# Altium PCB RevA2.PcbDoc (part 1 of 6) (continued)
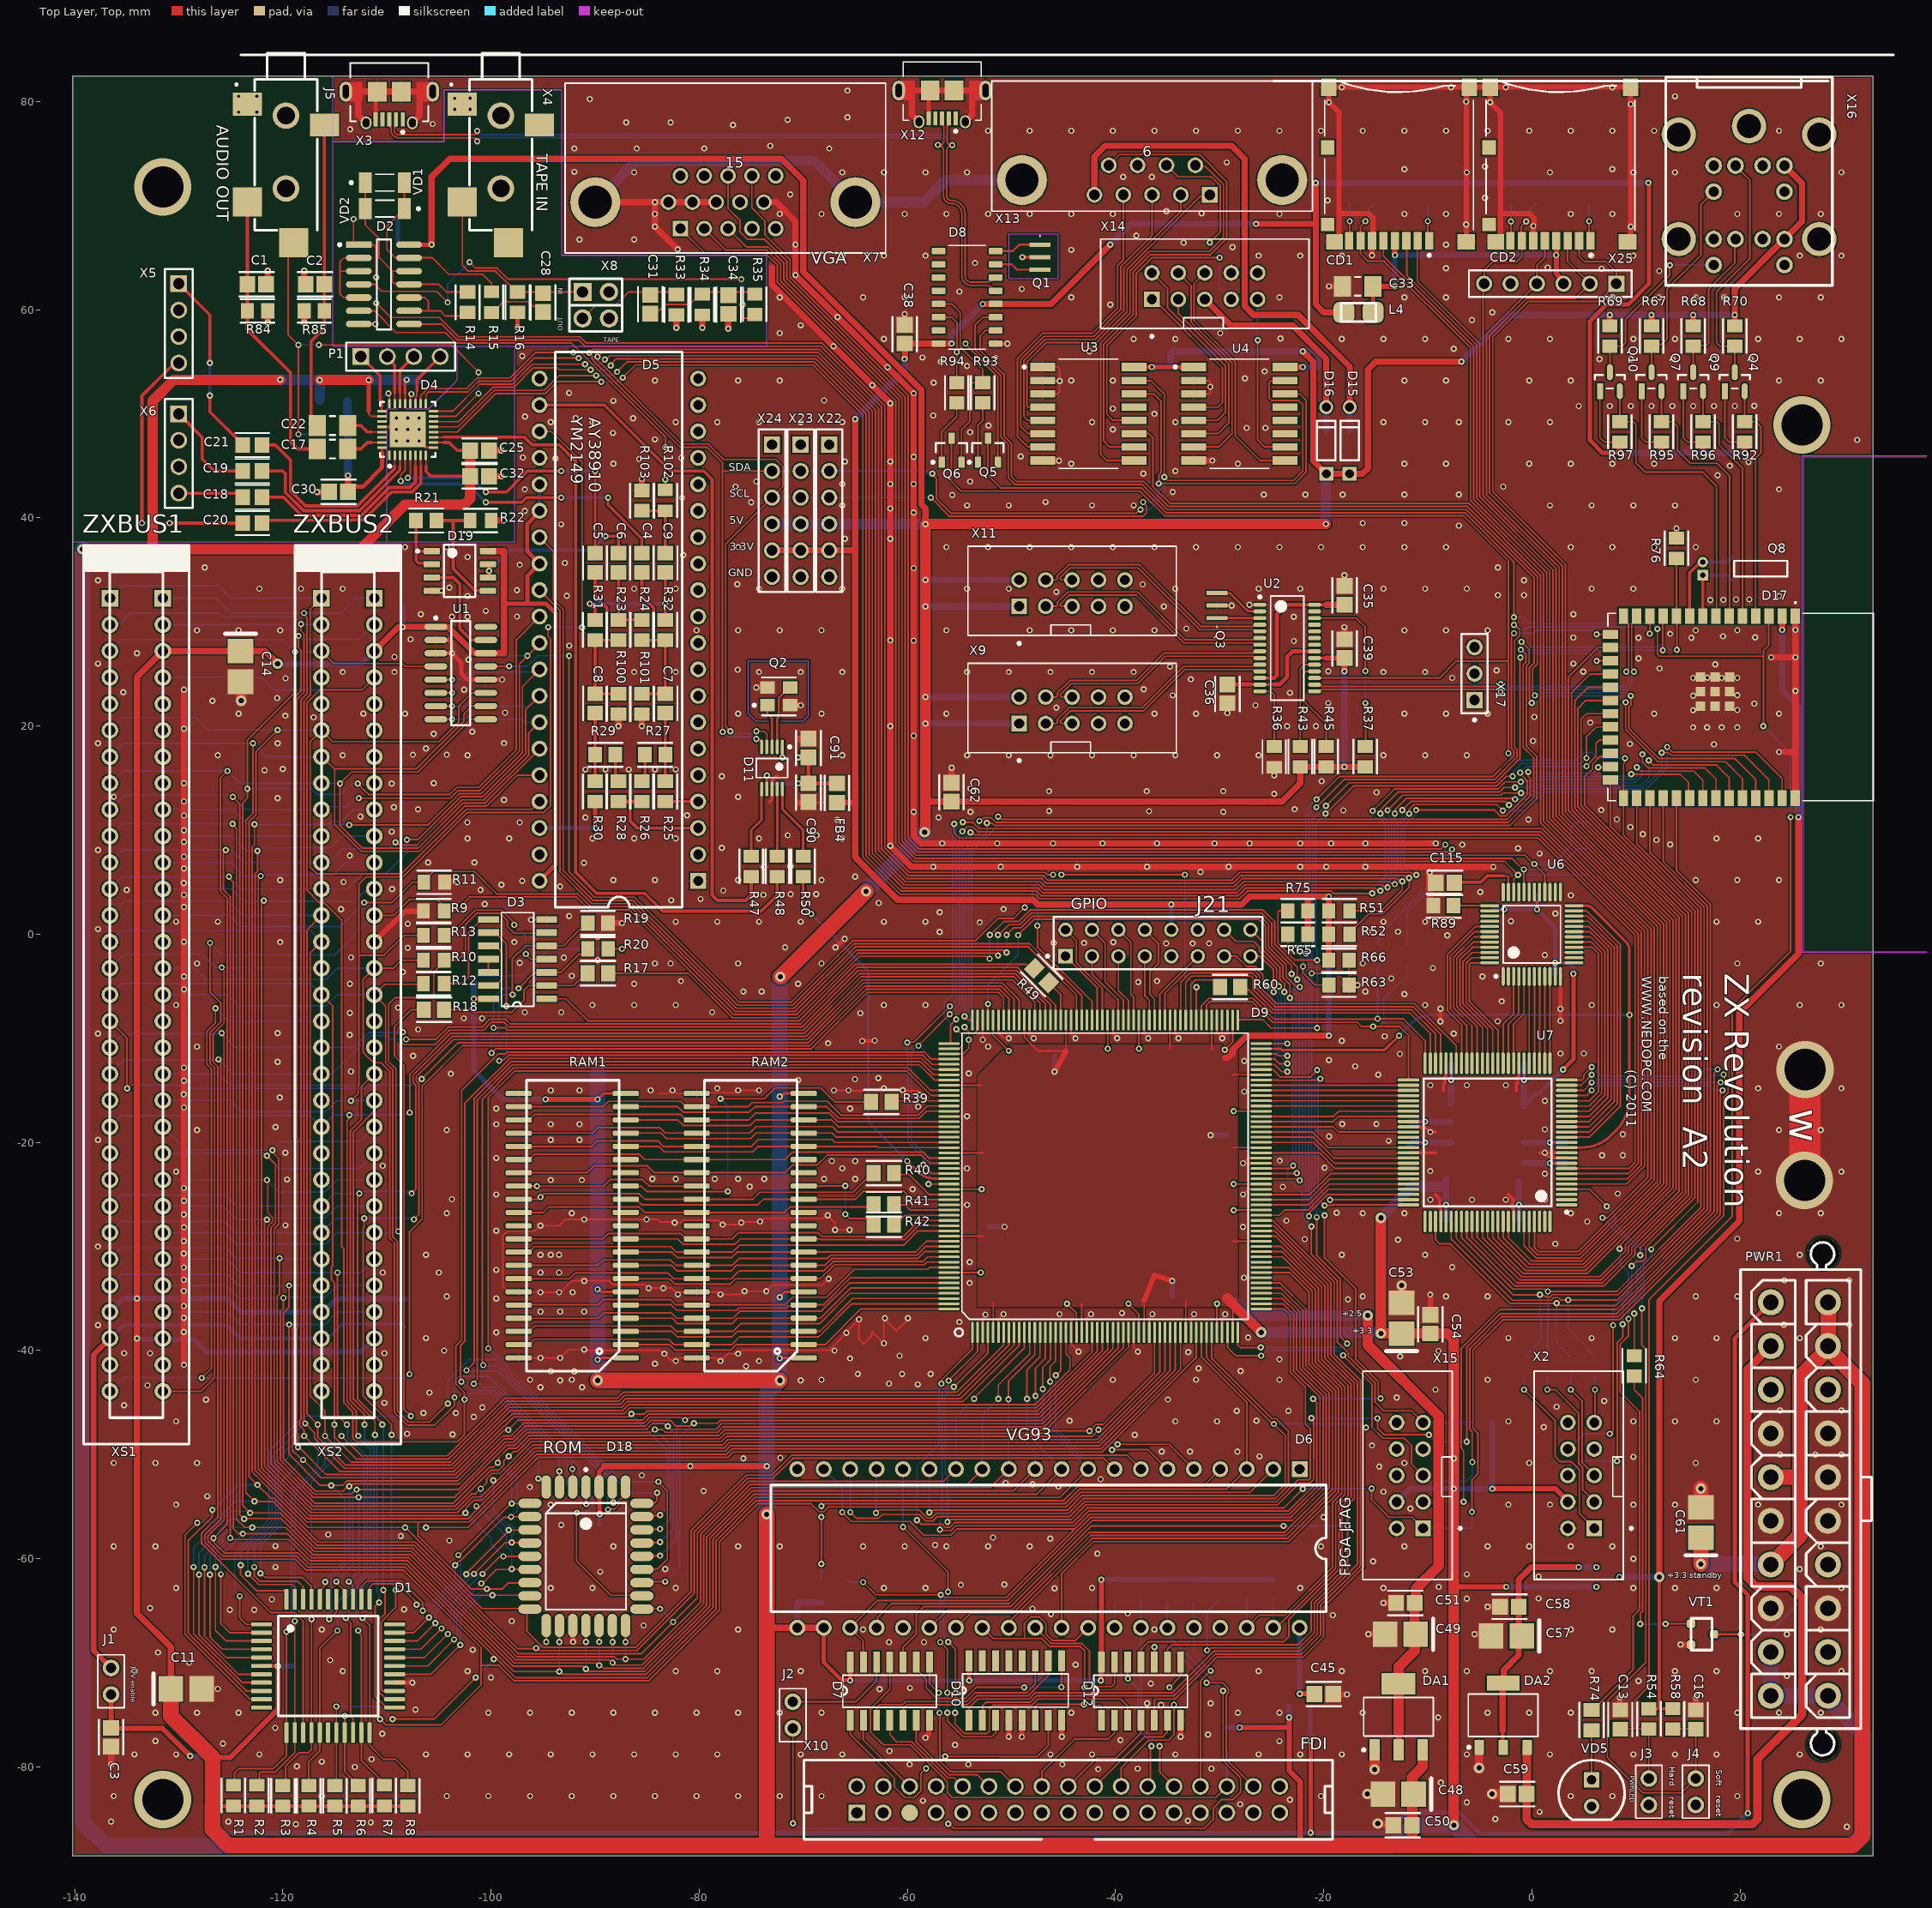
[diagram p0: Top Layer, Top view]
## Components (designator, comment, footprint, x,y, rotation, side; value= is the part's Value field where it differs from the comment) (continued)
C100 "CC0805KRX7R9BB104" FP-CC0805-0_85-IPC_A -78.649,-51.1 r0 bottom value="100 nF"
C101 "CC0805KRX7R9BB104" FP-CC0805-0_85-IPC_A -90.655,-13.363 r180 bottom value="100 nF"
C102 "CC0805KRX7R9BB104" FP-CC0805-0_85-IPC_A -90.651,-21.25 r180 bottom value="100 nF"
C103 "CC0805KRX7R9BB104" FP-CC0805-0_85-IPC_A -90.655,-30.8 r180 bottom value="100 nF"
C104 "CC0805KRX7R9BB104" FP-CC0805-0_85-IPC_A -90.651,-37.75 r180 bottom value="100 nF"
C105 "CC0805KRX7R9BB104" FP-CC0805-0_85-IPC_A -89.557,-57.66 r270 bottom value="100 nF"
C106 "CC0805KRX7R9BB104" FP-CC0805-0_85-IPC_A -101.829,-3.244 r90 bottom value="100 nF"
C107 "CC0805KRX7R9BB104" FP-CC0805-0_85-IPC_A -109.851,66.216 r180 bottom value="100 nF"
C108 "CC0805KRX7R9BB104" FP-CC0805-0_85-IPC_A -118.149,-70.3 r0 bottom value="100 nF"
C113 "C0805C106K8PACTU" FP-C0805C-DG-IPC_A 23.099,25.25 r180 bottom value=10uF
C114 "CC0805KRX7R9BB104" FP-CC0805-0_85-IPC_A 23.099,28 r180 bottom value="100 nF"
C115 "CC0805KRX7R9BB104" FP-CC0805-0_85-IPC_A -8.339,4.937 r180 top value="100 nF"
CD1 "502774-0891" MOLX-502774-0891_V -12.754,74.012 r180 top locked value=5027740891
CD2 "502774-0891" MOLX-502774-0891_V 2.746,74.012 r180 top locked value=5027740891
D1 "Z84C0020FEC" QFP44X8 -122.05,-66.3 r0 top
D2 "CD4069UBM" FP-D0014A-IPC_A -110.284,62.44 r0 top locked
D3 "04" SO14 -94.65,-6.2 r180 top value=74ACT04
D4 "WM8960CGEFL/RV" QFN50P500X500X90_HS-33M -108,48.5 r90 top
D5 "YM2149" DIP40 -80.095,5.125 r180 top locked
D6 "KR1818VG93" DIP40 -22.31,-51.39 r270 top locked
D7 "07" SO14 -65.49,-75.52 r90 top value=74HCT07
D8 "CH340G" SOIC127P600X180-16N -54.254,61.192 r180 top
D9 "EP1K50Q208" PQFP208X5 -53.75,-38.25 r90 top locked
D10 "138" SO16 -54.06,-75.52 r90 top locked value=74HCT138
D11 "Si5351A-B-GT" SLAB-MSOP-10_L -73,15.975 r270 top value=SI5351A-B-GT
D12 "06" SO14 -41.36,-75.52 r90 top value=74HCT06
D15 "BAT46" STM-DO-35-2 -17.5,47.44 r90 top
D16 "BAT46" STM-DO-35-2 -19.75,47.44 r90 top
D17 "ESP32-S3-WROOM-1" ESP32S3WROOM1 20.062,21.825 r270 top locked
D18 "SST39SF040-70-4C-NHE" MCHP-PLCC-NH32_L -90.88,-59.76 r0 top locked
D19 "LM358DR" FP-D0008A-MFG -103,34.905 r0 top
DA1 "LM1117MP-2.5/NOPB" DCY0004A_M -12.804,-75.188 r90 top
DA2 "LM1117MP-3.3/NOPB" DCY0004A_L -2.754,-75.038 r90 top
FB4 "BLM21AG601SN1J" FP-BLM21-0_2-t0_85-e0_5-IPC_A -66.75,13.574 r90 top
J1 "JUMPER" JUMPER_JUMPER(Primary) -136.5,-73.04 r90 top value=PLS-2
J2 "JUMPER" JUMPER_JUMPER(Primary) -71,-73.75 r270 top value=PLS-2
J3 "JUMPER" JUMPER_JUMPER(Primary) 11.246,-81.113 r270 top value=PLS-2
J4 "JUMPER" JUMPER_JUMPER(Primary) 15.746,-81.113 r270 top value=PLS-2
J5 "SJ-3524-SMT-TR" SJ-3524-SMT-TR -116.7,82.15 r270 top
J21 "87227-8" FP-87227-8-MFG -35.907,-0.844 r0 top value="HEADER 16POS 2.54MM 2ROW"
L1 "L-CHIP" L-CHIP -113.787,51.25 r180 bottom value=1uH
L4 "L-CHIP" L-CHIP -15.25,59.75 r180 top value=1uH
P1 "61300411121" 61300411121 -108.69,55.5 r0 top value="header 4 pin 2.54mm"
PWR1 "ATXPOWER" ATXPOWER 22.956,-73.163 r90 top locked
Q1 "CSTCE12M0G55Z-R0" MURA-CSTCE_G_V -47.25,65.05 r270 top
Q2 "ABM8G-25.000MHz-B4Y-T" FP-ABM8G-MFG -72.35,22.85 r0 top value=ABM8G-25.000MHZ-B4Y-T
Q3 "CSTCE12M0G55Z-R0" MURA-CSTCE_G_V -30.25,31.58 r90 top
Q4 "BSS138" FP-318-08-IPC_B 19.5,53.09 r90 top
Q5 "BC817K-25" INF-SOT23_N -52.25,46.5 r90 top
Q6 "BC817K-25" INF-SOT23_N -55.75,46.5 r90 top
Q7 "BSS138" FP-318-08-IPC_B 11.5,53.09 r90 top
Q8 "AB15T-32.768KHZ" ABRA-AB15T-2_V 16.432,35.127 r180 top
Q9 "BSS138" FP-318-08-IPC_B 15.5,53.09 r90 top
Q10 "BSS138" FP-318-08-IPC_B 7.5,53.09 r90 top
R1 "RT0805FRE07680RL" FP-RT0805-IPC_A -124.75,-82.748 r270 top value=680Ω
R2 "RT0805FRE07680RL" FP-RT0805-IPC_A -122.5,-82.748 r270 top value=680Ω
R3 "CR0805-JW-103ELF" FP-CR0805-IPC_A -120,-82.774 r90 top value=10kΩ
R4 "CR0805-JW-103ELF" FP-CR0805-IPC_A -117.5,-82.774 r90 top value=10kΩ
R5 "CR0805-JW-103ELF" FP-CR0805-IPC_A -115,-82.774 r90 top value=10kΩ
R6 "CR0805-JW-103ELF" FP-CR0805-IPC_A -112.75,-82.774 r90 top value=10kΩ
R7 "RT0805FRE07680RL" FP-RT0805-IPC_A -110.25,-82.748 r270 top value=680Ω
R8 "CR0805-JW-103ELF" FP-CR0805-IPC_A -108,-82.774 r90 top value=10kΩ
R9 "RT0805FRE07680RL" FP-RT0805-IPC_A -105.498,2.25 r0 top value=680Ω
R10 "RT0805FRE07680RL" FP-RT0805-IPC_A -105.498,-2.5 r0 top value=680Ω
R11 "RT0805FRE07680RL" FP-RT0805-IPC_A -105.45,5 r180 top value=680Ω
R12 "RT0805FRE07680RL" FP-RT0805-IPC_A -105.498,-4.744 r180 top value=680Ω
R13 "RT0805FRE07680RL" FP-RT0805-IPC_A -105.498,-0.1 r180 top value=680Ω
R14 "CRCW080547K0FKEAHP" FP-CRCW0805-HPe3-IPC_A -102.25,60.726 r90 top value=47kΩ
R15 "RT0805FRE07680RL" FP-RT0805-IPC_A -99.95,60.737 r90 top value=680Ω
R16 "CRCW080547K0FKEAHP" FP-CRCW0805-HPe3-IPC_A -97.45,60.726 r90 top value=47kΩ
R17 "RR1220Q-510-D" FP-RR1220-IPC_A -89.726,-3.75 r0 top value=51Ω
R18 "RR1220Q-510-D" FP-RR1220-IPC_A -105.476,-7.25 r180 top value=51Ω
R19 "CRCW08051K00FKEAHP" FP-CRCW0805-HPe3-IPC_A -89.726,1.073 r180 top value=1kΩ
R20 "CR0805-JW-103ELF" FP-CR0805-IPC_A -89.726,-1.4 r0 top value=10kΩ
R21 "RN73C2A15KBTDF" FP-RN732A-IPC_A -106.226,39.75 r180 top value=15KΩ
R22 "RT0805FRE073K3L" FP-RT0805-IPC_A -100.998,39.75 r180 top value=3.3KΩ
R23 "RN73C2A15KBTDF" FP-RN732A-IPC_A -87.75,29.226 r270 top value=15KΩ
R24 "RN73C2A15KBTDF" FP-RN732A-IPC_A -85.5,29.226 r270 top value=15KΩ
R25 "RN73C2A15KBTDF" FP-RN732A-IPC_A -83.25,13.726 r270 top value=15KΩ
R26 "RN73C2A15KBTDF" FP-RN732A-IPC_A -85.5,13.726 r270 top value=15KΩ
R27 "RN73C2A15KBTDF" FP-RN732A-IPC_A -84.226,17.25 r180 top value=15KΩ
R28 "RN73C2A15KBTDF" FP-RN732A-IPC_A -87.75,13.726 r270 top value=15KΩ
R29 "RN73C2A15KBTDF" FP-RN732A-IPC_A -89.024,17.25 r0 top value=15KΩ
R30 "RN73C2A15KBTDF" FP-RN732A-IPC_A -90,13.726 r270 top value=15KΩ
R31 "RN73C2A15KBTDF" FP-RN732A-IPC_A -90,29.226 r90 top value=15KΩ
R32 "RN73C2A15KBTDF" FP-RN732A-IPC_A -83.25,29.226 r90 top value=15KΩ
R33 "CRCW080547K0FKEAHP" FP-CRCW0805-HPe3-IPC_A -82.2,60.476 r90 top value=47kΩ
R34 "RT0805FRE07680RL" FP-RT0805-IPC_A -79.7,60.502 r90 top value=680Ω
R35 "CR0805-JW-222ELF" FP-CR0805-IPC_A -74.653,60.523 r90 top value=2.2kΩ
R36 "AC0805FR-072K7L" FP-AC0805-IPC_A -24.75,17.044 r270 top value=2.7KΩ
R37 "CR0805-JW-103ELF" FP-CR0805-IPC_A -16,17.069 r270 top value=10kΩ
R38 "CRCW08051K00FKEAHP" FP-CRCW0805-HPe3-IPC_A -65.725,-63.224 r90 bottom value=1kΩ
R39 "RR1220Q-510-D" FP-RR1220-IPC_A -62.5,-16.1 r180 top value=51Ω
R40 "RR1220Q-510-D" FP-RR1220-IPC_A -62.259,-22.937 r180 top value=51Ω
R41 "RR1220Q-510-D" FP-RR1220-IPC_A -62.259,-25.937 r180 top value=51Ω
R42 "RR1220Q-510-D" FP-RR1220-IPC_A -62.259,-27.914 r180 top value=51Ω
R43 "CR0805-JW-103ELF" FP-CR0805-IPC_A -22.25,17.069 r270 top value=10kΩ
R44 "CRCW08051K00FKEAHP" FP-CRCW0805-HPe3-IPC_A -29.295,-77.176 r90 bottom value=1kΩ
R45 "CR0805-JW-103ELF" FP-CR0805-IPC_A -19.75,17.069 r270 top value=10kΩ
R46 "CRCW08051K00FKEAHP" FP-CRCW0805-HPe3-IPC_A -29.93,-62.926 r270 bottom value=1kΩ
R47 "CR0805-J/-000ELF" FP-CR0805-IPC_A -75,6.523 r270 top value=0Ω
R48 "CR0805-J/-000ELF" FP-CR0805-IPC_A -72.5,6.523 r270 top value=0Ω
R49 "RR1220Q-510-D" FP-RR1220-IPC_A -47.099,-3.962 r135 top value=51Ω
R50 "CR0805-J/-000ELF" FP-CR0805-IPC_A -70,6.523 r270 top value=0Ω
R51 "RT0805FRE073K3L" FP-RT0805-IPC_A -18.508,2.25 r0 top value=3.3KΩ
R52 "RT0805FRE073K3L" FP-RT0805-IPC_A -18.508,0 r0 top value=3.3KΩ
R53 "CR0805-JW-103ELF" FP-CR0805-IPC_A -40.067,-62.926 r90 bottom value=10kΩ
R54 "CR0805-JW-103ELF" FP-CR0805-IPC_A 11.246,-75.387 r270 top value=10kΩ
R55 "CRCW08051K00FKEAHP" FP-CRCW0805-HPe3-IPC_A -37.55,-62.926 r90 bottom value=1kΩ
R56 "CRCW08051K00FKEAHP" FP-CRCW0805-HPe3-IPC_A -35,-62.926 r90 bottom value=1kΩ
R57 "CRCW08051K00FKEAHP" FP-CRCW0805-HPe3-IPC_A -32.47,-62.926 r90 bottom value=1kΩ
R58 "CR0805-JW-103ELF" FP-CR0805-IPC_A 13.54,-75.384 r270 top value=10kΩ
R59 "CR0805-JW-103ELF" FP-CR0805-IPC_A -24.842,-62.926 r90 bottom value=10kΩ
R60 "RR1220Q-510-D" FP-RR1220-IPC_A -28.989,-5.079 r0 top value=51Ω
R61 "CR0805-JW-103ELF" FP-CR0805-IPC_A -27.39,-62.926 r90 bottom value=10kΩ
R62 "CR0805-JW-103ELF" FP-CR0805-IPC_A -68.25,-63.224 r270 bottom value=10kΩ
R63 "CR0805-JW-103ELF" FP-CR0805-IPC_A -18.524,-4.883 r180 top value=10kΩ
R64 "MCR10ERTJ102" FP-MCR10-IPC_A 9.84,-41.477 r270 top value=1kΩ
R65 "CR0805-JW-103ELF" FP-CR0805-IPC_A -22.476,0 r0 top value=10kΩ
R66 "CR0805-JW-103ELF" FP-CR0805-IPC_A -18.534,-2.5 r180 top value=10kΩ
R67 "CR0805-JW-103ELF" FP-CR0805-IPC_A 11.5,57.476 r270 top value=10kΩ
R68 "CR0805-JW-103ELF" FP-CR0805-IPC_A 15.5,57.476 r270 top value=10kΩ
R69 "CR0805-JW-103ELF" FP-CR0805-IPC_A 7.5,57.476 r270 top value=10kΩ
R70 "CR0805-JW-103ELF" FP-CR0805-IPC_A 19.5,57.476 r270 top value=10kΩ
R71 "CR0805-JW-472ELF" FP-CR0805-IPC_A -4.773,-46.906 r180 bottom value=4.7kΩ
R72 "CR0805-JW-472ELF" FP-CR0805-IPC_A -4.773,-57.066 r180 bottom value=4.7kΩ
R73 "CR0805-JW-472ELF" FP-CR0805-IPC_A -4.773,-51.986 r180 bottom value=4.7kΩ
R74 "RR1220Q-510-D" FP-RR1220-IPC_A 5.75,-75.498 r270 top value=51Ω
R75 "CR0805-JW-103ELF" FP-CR0805-IPC_A -22.476,2.25 r0 top value=10kΩ
R76 "CR0805-JW-103ELF" FP-CR0805-IPC_A 13.892,37.084 r90 top value=10kΩ
R77 "CR0805-JW-103ELF" FP-CR0805-IPC_A 5.5,71.227 r90 bottom value=10kΩ
R78 "CR0805-JW-103ELF" FP-CR0805-IPC_A 0.5,71.227 r90 bottom value=10kΩ
R79 "CR0805-JW-103ELF" FP-CR0805-IPC_A -2,71.227 r90 bottom value=10kΩ
R80 "CR0805-JW-103ELF" FP-CR0805-IPC_A -10,71.227 r90 bottom value=10kΩ
R81 "CR0805-JW-103ELF" FP-CR0805-IPC_A -15,71.227 r90 bottom value=10kΩ
R82 "CR0805-JW-103ELF" FP-CR0805-IPC_A -17.5,71.227 r90 bottom value=10kΩ
R83 "CRCW08051K00FKEAHP" FP-CRCW0805-HPe3-IPC_A -109.926,68.71 r0 bottom value=1kΩ
R84 "CR0805-JW-103ELF" FP-CR0805-IPC_A -122.427,59.9 r180 top value=10kΩ
R85 "CR0805-JW-103ELF" FP-CR0805-IPC_A -116.976,59.9 r0 top value=10kΩ
R86 "RN73C2A75RBTDF" FP-RN732A-IPC_A 6.331,10.75 r180 bottom value=75Ω
R87 "RN73C2A75RBTDF" FP-RN732A-IPC_A 6.331,8.25 r180 bottom value=75Ω
R88 "RN73C2A75RBTDF" FP-RN732A-IPC_A 6.331,5.7 r180 bottom value=75Ω
R89 "TNPW0805530RBETA" FP-CRCW0805-HPe3-IPC_A -8.485,2.75 r0 top value=530Ω
R90 "RN73C2A150RBTDF" FP-RN732A-IPC_A -14.75,-2.024 r90 bottom value=150Ω
R91 "RN73C2A150RBTDF" FP-RN732A-IPC_A -12,-2.024 r90 bottom value=150Ω
R92 "CR0805-JW-103ELF" FP-CR0805-IPC_A 20.45,48.274 r90 top value=10kΩ
R93 "CR0805-JW-103ELF" FP-CR0805-IPC_A -52.75,52.024 r90 top value=10kΩ
R94 "CR0805-JW-103ELF" FP-CR0805-IPC_A -55.25,52.024 r90 top value=10kΩ
R95 "CR0805-JW-103ELF" FP-CR0805-IPC_A 12.45,48.274 r90 top value=10kΩ
R96 "CR0805-JW-103ELF" FP-CR0805-IPC_A 16.45,48.274 r90 top value=10kΩ
R97 "CR0805-JW-103ELF" FP-CR0805-IPC_A 8.45,48.274 r90 top value=10kΩ
R98 "RT0805FRE07680RL" FP-RT0805-IPC_A -0.75,-41.498 r90 bottom value=680Ω
R99 "RT0805FRE07680RL" FP-RT0805-IPC_A 1.5,-41.498 r90 bottom value=680Ω
R100 "RN73C2A15KBTDF" FP-RN732A-IPC_A -87.75,22.126 r270 top value=15KΩ
R101 "RN73C2A15KBTDF" FP-RN732A-IPC_A -85.5,22.126 r270 top value=15KΩ
R102 "RT0805FRE073K3L" FP-RT0805-IPC_A -83.25,41.687 r90 top value=3.3KΩ
R103 "CRCW08051K00FKEAHP" FP-CRCW0805-HPe3-IPC_A -85.5,41.661 r270 top value=1kΩ
R104 "RT0805FRE07680RL" FP-RT0805-IPC_A 3.75,-41.498 r90 bottom value=680Ω
R105 "RT0805FRE07680RL" FP-RT0805-IPC_A 6.075,-41.498 r90 bottom value=680Ω
R106 "RMCF0805JT33K0" FP-RMCF0805-IPC_A -114.799,48 r0 bottom value=33kΩ
RAM1 "MSM5118160F-JS" SOJ42 -87.05,-40.7 r180 top
RAM2 "MSM5118160F-JS" SOJ42 -69.95,-40.7 r180 top
U1 "TLC7524CD" TI-D16_N -102.9,25.095 r0 top
U2 "FE1.1S" TSOP64P600X160-28L -23.5,27.5 r0 top
U3 "PCF8574T/3,518" FP-SOT162-1-MFG -42.6,50.005 r0 top locked
U4 "PCF8574T/3,518" FP-SOT162-1-MFG -28.1,50.005 r0 top locked
U6 "ADV7125KSTZ140" ST-48_N 0,0 r90 top locked
U7 "EPM240T100C5" TQFP100_M -4.25,-20 r180 top locked
VD1 "LS4148-GS08" FP-6_560-5006_01-4-MFG -110.2,72.21 r0 top value=LS4148
VD2 "LS4148-GS08" FP-6_560-5006_01-4-MFG -110.2,69.71 r180 top value=LS4148
VD3 "BAT54C" FP-MA03D-MFG -22.3,-72.9 r90 bottom
VD4 "BAT54C" FP-MA03D-MFG 7.313,-61.75 r0 bottom
VD5 "LED" LED100_LED(Primary) 5.75,-83.79 r180 top value=green
VT1 "BC847" SOT-23 15.29,-66.234 r270 top
X2 "N2510-6002RB" 3M-N2510-6002-10_V 4.73,-52 r90 top value="10-Pin Shrouded Header, 2.54mm"
X3 "47589-0001" MOLX-47589-0001_V -109.775,79.46 r180 top locked
X4 "SJ-3524-SMT-TR" SJ-3524-SMT-TR -96.05,82.15 r270 top
X5 "61300411121" 61300411121 -130,58.69 r270 top value="header 4 pin 2.54mm"
X6 "61300411121" 61300411121 -130,46.19 r270 top value="header 4 pin 2.54mm"
X7 "618015330923" 618015330923 -77.482,73.612 r180 top locked value="DSUB, Angled, 15 pins"
X8 "PLB2-2" PLB2-2 -91.2,61.71 r0 top value=PLD-4
X9 "N2510-6002RB" 3M-N2510-6002-10_V -44.17,21.52 r0 top value="10-Pin Shrouded Header, 2.54mm"
X10 "FDD34M" FDD34M -64.855,-84.41 r180 top locked value="Shrouded Header 34 pos 2.54mm 2 row"
X11 "N2510-6002RB" 3M-N2510-6002-10_V -44.17,32.77 r0 top value="10-Pin Shrouded Header, 2.54mm"
X12 "47589-0001" MOLX-47589-0001_V -56.654,79.562 r180 top
X13 "618009231221" 618009231221 -36.486,75.728 r180 top locked value="DSUB, Angled, 9 pins"
X14 "N2510-6002RB" 3M-N2510-6002-10_V -31.42,62.27 r0 top locked value="10-Pin Shrouded Header, 2.54mm"
X15 "N2510-6002RB" 3M-N2510-6002-10_V -11.71,-52 r90 top value="10-Pin Shrouded Header, 2.54mm"
X16 "KEYB-MOUSE" MDD-6FR 20.87,77.642 r0 top
X17 "22-28-4033" MOLX-22-28-4033_V -5.5,25.04 r90 top value="header 3 pin, 2.54mm"
X22 "TSW-106-07-G-S" SMTC-TSW-106-07-X-S -67.5,47.04 r270 top value="6 pin header 2.54mm"
X23 "TSW-106-07-G-S" SMTC-TSW-106-07-X-S -70.25,47.04 r270 top value="6 pin header 2.54mm"
X24 "TSW-106-07-G-S" SMTC-TSW-106-07-X-S -73,47.04 r270 top value="6 pin header 2.54mm"
X25 "TSW-106-07-G-S" SMTC-TSW-106-07-X-S 8.12,62.5 r180 top value="6 pin header 2.54mm"
XS1 "ZXSLOT" SLOT62_ZXSLOT(Primary) -131.53,32.29 r0 top
XS2 "ZXSLOT" SLOT62_ZXSLOT(Primary) -111.21,32.29 r0 top locked

## Footprints (in the part's own frame and the unit in brackets; to place one, negate y for a bottom-side part, rotate by r counter-clockwise, add the part's x,y. Pads: shape width x height; smd on the part's side, far side on the other; paste and mask are expansions set on the pad)
3M-N2510-6002-10_V [mm] "Header, 10-Leads, Body 20.02x8.59mm, Pitch 2.54mm"
  rect 1.5x1.5 hole 0.97: 1(-5.08,-1.27)
  round 1.5 hole 0.97: 2(-5.08,1.27) 3(-2.54,-1.27) 4(-2.54,1.27) 5(0,-1.27) 6(0,1.27) 7(2.54,-1.27) 8(2.54,1.27) 9(5.08,-1.27) 10(5.08,1.27)
  silkscreen extent -10.01,-4.95 10.01,4.52, body extent -10.01,-4.11 10.01,4.52, height 9.92
61300411121 [mm] "Pin Header, pitch 2.54 mm, THT, Vertical, single row, 4p"
  rect 1.6x1.6 hole 1.1: 1(-3.81,0)
  round 1.6 hole 1.1: 2(-1.27,0) 3(1.27,0) 4(3.81,0)
  silkscreen extent -5.23,-1.35 5.23,1.35, body extent -5.08,-1.27 5.08,1.27, height 8.57
618009231221 [mm] "9 pins, right angled, 8.08mm, with hex screw"
  rect 1.5x1.5 hole 1: 1(-5.54,4.69)
  round 1.5 hole 1: 2(-2.77,4.69) 3(0,4.69) 4(2.77,4.69) 5(5.54,4.69) 6(-4.155,1.85) 7(-1.385,1.85) 8(1.385,1.85) 9(4.155,1.85)
  round 4.8 hole 3.2: M1(-12.5,3.27) M2(12.5,3.27)
  silkscreen extent -15.4,-6.25 15.4,6.25, body extent -15.4,-12.25 15.4,6.25, height 12.55
618015330923 [mm] "15 pins, right angled"
  rect 1.5x1.5 hole 1: 1(4.32,5.82)
  round 1.5 hole 1: 2(2.03,5.82) 3(-0.26,5.82) 4(-2.55,5.82) 5(-4.84,5.82) 6(5.46,3.28) 7(3.17,3.28) 8(0.88,3.28) 9(-1.41,3.28) 10(-3.7,3.28) 11(4.32,0.74) 12(2.03,0.74) 13(-0.26,0.74) 14(-2.55,0.74) 15(-4.84,0.74)
  round 4.8 hole 3.2: M1(-12.5,3.28) M2(12.5,3.28)
  silkscreen extent -15.4,-8.15 15.4,8.15, body extent -15.4,-14.15 15.4,8.15, height 12.55
ABRA-AB15T-2_V [mm] "THD, 2-Leads, Body 5.1x1.5mm, Height 1.5mm"
  rect 1x1 hole 0.5: 1(0,0.627)
  round 1 hole 0.5: 2(0,-0.627)
  silkscreen extent -8.1,-0.75 -3,0.75, body extent -8.1,-0.74 0.1,0.77, height 1.5
ATXPOWER [mm]
  round 2.5 hole 1.5: 1(0,0) 2(4.2,0) 3(8.4,0) 4(12.6,0) 5(16.8,0) 6(21,0) 7(25.2,0) 8(29.4,0) 9(33.6,0) 10(37.8,0) 11(0,-5.5) 12(4.2,-5.5) 13(8.4,-5.5) 14(12.6,-5.5) 15(16.8,-5.5) 16(21,-5.5) 17(25.2,-5.5) 18(29.4,-5.5) 19(33.6,-5.5) 20(37.8,-5.5)
  round 3 hole 3 unplated: 21(-4.7,-5.04) 22(42.5,-5.04)
  silkscreen extent -5.72,-9.7 43.57,2.9, body extent -5.7,-8.8 43.5,2.1, height 13
AVX-TAJ-B-2_M [mm] "Molded Capacitor, 2-Leads, Body 3.7x3mm, IPC Low Density"
  rect 2.35x2.45 smd: 1(-1.475,0) 2(1.475,0)
  silkscreen extent -3.15,-1.5 -3.15,1.5, body extent -2.07,-1.5 2.07,1.5, height 2.1
CAPC3216X190X55ML30T25 [mm] "Chip Capacitor, 2-Leads, Body 3.5x1.9mm, IPC Low Density"
  rect 1.65x2 smd: 1(-1.475,0) 2(1.475,0)
  silkscreen extent -0.25,-0.9 0.25,0.9, body extent -1.75,-0.95 1.75,0.95, height 1.9
DCY0004A_L [mm] "SOT223, 4-Leads, Body 6.7x3.7mm, Pitch 2.3mm, IPC High Density"
  rrect11% 1.45x0.9 smd: 1(-3.075,2.3) 2(-3.075,0) 3(-3.075,-2.3)
  rrect7% 1.45x3.15 smd: 4(3.075,0)
  silkscreen extent -3.2,-3.35 2.05,3.42, body extent -3.5,-3.25 3.5,3.25, height 1.62
DCY0004A_M [mm] "SOT223, 4-Leads, Body 6.7x3.7mm, Pitch 2.3mm, IPC Low Density"
  rrect10% 2.05x1 smd: 1(-3.175,2.3) 2(-3.175,0) 3(-3.175,-2.3)
  rrect5% 2.05x3.25 smd: 4(3.175,0)
  silkscreen extent -3.3,-3.35 1.85,3.47, body extent -3.5,-3.25 3.5,3.25, height 1.62
DIP40 [mil]
  rect 60x60 hole 38: 1(0,0)
  round 60 hole 38: 2(0,-100) 3(0,-200) 4(0,-300) 5(0,-400) 6(0,-500) 7(0,-600) 8(0,-700) 9(0,-800) 10(0,-900) 11(0,-1000) 12(0,-1100) 13(0,-1200) 14(0,-1300) 15(0,-1400) 16(0,-1500) 17(0,-1600) 18(0,-1700) 19(0,-1800) 20(0,-1900) 21(600,-1900) 22(600,-1800) 23(600,-1700) 24(600,-1600) 25(600,-1500) 26(600,-1400) 27(600,-1300) 28(600,-1200) 29(600,-1100) 30(600,-1000) 31(600,-900) 32(600,-800) 33(600,-700) 34(600,-600) 35(600,-500) 36(600,-400) 37(600,-300) 38(600,-200) 39(600,-100) 40(600,0)
  silkscreen extent 60,-2000 540,100, body extent -49,-1947 647,49, height 177
ESP32S3WROOM1 [mm]
  rect 1.5x0.9 smd: 1(-8.75,5.26) 2(-8.75,3.99) 3(-8.75,2.72) 4(-8.75,1.45) 5(-8.75,0.18) 6(-8.75,-1.09) 7(-8.75,-2.36) 8(-8.75,-3.63) 9(-8.75,-4.9) 10(-8.75,-6.17) 11(-8.75,-7.44) 12(-8.75,-8.71) 13(-8.75,-9.98) 14(-8.75,-11.25) 27(8.75,-11.25) 28(8.75,-9.98) 29(8.75,-8.71) 30(8.75,-7.44) 31(8.75,-6.17) 32(8.75,-4.9) 33(8.75,-3.63) 34(8.75,-2.36) 35(8.75,-1.09) 36(8.75,0.18) 37(8.75,1.45) 38(8.75,2.72) 39(8.75,3.99) 40(8.75,5.26)
  rect 0.9x1.5 smd: 15(-6.985,-12.5) 16(-5.715,-12.5) 17(-4.445,-12.5) 18(-3.175,-12.5) 19(-1.905,-12.5) 20(-0.635,-12.5) 21(0.635,-12.5) 22(1.905,-12.5) 23(3.175,-12.5) 24(4.445,-12.5) 25(5.715,-12.5) 26(6.985,-12.5)
  rect 0.9x0.9 smd: EPAD(-2.9,-2.46) EPAD(-2.9,-1.06) EPAD(-2.9,-3.86) EPAD(-1.5,-1.06) EPAD(-1.5,-2.46) EPAD(-1.5,-3.86) EPAD(-0.1,-1.06) EPAD(-0.1,-2.46) EPAD(-0.1,-3.86)
  Keep-Out Layer, Board region: -24,6 23.5,6 23.5,28 -24,28
  silkscreen extent -10.1,-12.75 9,12.75, body extent -9.04,-12.75 9.03,12.79, height 3
FDD34M [mm]
  rect 1.6x1.6 hole 1.1: 1(0,0)
  round 1.6 hole 1.1: 2(0,-2.54) 3(-2.54,0) 4(-2.54,-2.54) 6(-5.08,-2.54) 7(-7.62,0) 8(-7.62,-2.54) 9(-10.16,0) 10(-10.16,-2.54) 11(-12.7,0) 12(-12.7,-2.54) 13(-15.24,0) 14(-15.24,-2.54) 15(-17.78,0) 16(-17.78,-2.54) 17(-20.32,0) 18(-20.32,-2.54) 19(-22.86,0) 20(-22.86,-2.54) 21(-25.4,0) 22(-25.4,-2.54) 23(-27.94,0) 24(-27.94,-2.54) 25(-30.48,0) 26(-30.48,-2.54) 27(-33.02,0) 28(-33.02,-2.54) 29(-35.56,0) 30(-35.56,-2.54) 31(-38.1,0) 32(-38.1,-2.54) 33(-40.64,0) 34(-40.64,-2.54)
  round 1.6 smd: 5(-5.08,0)
  silkscreen extent -45.72,-5.08 5.08,2.54, body extent -45.81,-5.67 5.17,3.23, height 9.1
FP-6_560-5006_01-4-MFG [mm]
  rect 1.25x2 smd paste+0 mask+0: 1(-1.875,0) 2(1.875,0)
  silkscreen extent -3.35,-0.8 0.87,0.8, body extent -2.6,-1.1 2.6,1.1, height 0.25
FP-318-08-IPC_B [mm]
  rect 1.524x0.578 smd paste+0 mask+0: 1(-0.91,0.95)
  rrect100% 1.524x0.578 smd paste+0 mask+0: 2(-0.91,-0.95) 3(0.91,0)
  silkscreen extent -0.65,-1.45 0.65,1.45, body extent -1.92,-1.7 1.92,1.7, height 0.25
FP-87227-8-MFG [mil]
  rect 54.69x54.69 hole 35 paste-39370.1 mask+0: 1(-350,-50)
  round 54.69 hole 35 paste-39370.1 mask+0: 2(-350,50) 3(-250,-50) 4(-250,50) 5(-150,-50) 6(-150,50) 7(-50,-50) 8(-50,50) 9(50,-50) 10(50,50) 11(150,-50) 12(150,50) 13(250,-50) 14(250,50) 15(350,-50) 16(350,50)
  silkscreen extent -423,-98 394,98, body extent -398,-102 398,102, height 10
FP-ABM8G-MFG [mm]
  rect 1.4x1.2 smd paste+0 mask+0: 1(-1.1,-0.85) 2(1.1,-0.85) 3(1.1,0.85) 4(-1.1,0.85)
  silkscreen extent -2.47,-1.83 1.6,1.83, body extent -1.9,-1.55 1.9,1.55, height 0.25
FP-AC0805-IPC_A [mm]
  rect 1.208x1.462 smd paste+0 mask+0: 1(-1.002,0) 2(1.002,0)
  silkscreen extent -1.61,-1.13 1.61,1.13, body extent -2.11,-1.23 2.11,1.23, height 0.25
FP-BLM21-0_2-t0_85-e0_5-IPC_A [mm]
  rect 1.455x1.556 smd paste+0 mask+0: 1(-0.926,0) 2(0.926,0)
  silkscreen extent -1.65,-1.18 1.65,1.18, body extent -1,-0.63 1,0.62, height 1.05
FP-C0805C-DG-IPC_A [mm]
  rect 1.505x1.556 smd paste+0 mask+0: 1(-0.901,0) 2(0.901,0)
  silkscreen extent -1.65,-1.18 1.65,1.18, body extent -1,-0.63 1,0.63, height 1.4
FP-CC0805-0_85-IPC_A [mm]
  rect 1.505x1.556 smd paste+0 mask+0: 1(-0.901,0) 2(0.901,0)
  silkscreen extent -1.65,-1.18 1.65,1.18, body extent -2.15,-1.28 2.15,1.28, height 0.25
FP-CL21-IPC_A [mm]
  rect 1.455x1.556 smd paste+0 mask+0: 1(-0.926,0) 2(0.926,0)
  silkscreen extent -1.65,-1.18 1.65,1.18, body extent -1,-0.63 1,0.63, height 1.45
FP-CR0805-IPC_A [mm]
  rect 1.258x1.462 smd paste+0 mask+0: 1(-0.977,0) 2(0.977,0)
  silkscreen extent -1.61,-1.13 1.61,1.13, body extent -2.11,-1.23 2.11,1.23, height 0.25
FP-CRCW0805-HPe3-IPC_A [mm]
  rect 1.306x1.508 smd paste+0 mask+0: 1(-0.976,0) 2(0.976,0)
  silkscreen extent -1.63,-1.15 1.63,1.15, body extent -2.13,-1.25 2.13,1.25, height 0.25
FP-D0008A-MFG [mm]
  rrect17% 1.55x0.6 smd paste+0 mask+0: 1(-2.7,1.905) 2(-2.7,0.635) 3(-2.7,-0.635) 4(-2.7,-1.905) 5(2.7,-1.905) 6(2.7,-0.635) 7(2.7,0.635) 8(2.7,1.905)
  silkscreen extent -4.17,-2.5 1.5,2.5, body extent -3.57,-2.75 3.57,2.75, height 0.25
FP-D0014A-IPC_A [mm]
  rect 2.474x0.622 smd paste+0 mask+0: 1(-2.416,3.81)
  rrect100% 2.474x0.622 smd paste+0 mask+0: 2(-2.416,2.54) 3(-2.416,1.27) 4(-2.416,0) 5(-2.416,-1.27) 6(-2.416,-2.54) 7(-2.416,-3.81) 8(2.416,-3.81) 9(2.416,-2.54) 10(2.416,-1.27) 11(2.416,0) 12(2.416,1.27) 13(2.416,2.54) 14(2.416,3.81)
  silkscreen extent -4.37,-4.33 0.68,4.33, body extent -4.15,-4.82 4.15,4.82, height 0.25
FP-GCM21B-0_15-IPC_A [mm]
  rect 1.406x1.508 smd paste+0 mask+0: 1(-0.926,0) 2(0.926,0)
  silkscreen extent -1.63,-1.15 1.63,1.15, body extent -2.13,-1.25 2.13,1.25, height 0.25
FP-MA03D-MFG [mm]
  rect 1.4x1 smd paste+0 mask+0: 1(-1.1,0.95) 2(-1.1,-0.95) 3(1.1,0)
  silkscreen extent -0.75,-1.56 0.75,1.56, body extent -1.2,-1.46 1.2,1.46, height 1.2
FP-MCR10-IPC_A [mm]
  rect 1.258x1.462 smd paste+0 mask+0: 1(-0.977,0) 2(0.977,0)
  silkscreen extent -1.61,-1.13 1.61,1.13, body extent -2.11,-1.23 2.11,1.23, height 0.25
FP-RMCF0805-IPC_A [mm]
  rect 1.355x1.462 smd paste+0 mask+0: 1(-0.976,0) 2(0.976,0)
  silkscreen extent -1.65,-1.13 1.65,1.13, body extent -1,-0.63 1,0.63, height 0.65
FP-RN732A-IPC_A [mm]
  rect 1.306x1.508 smd paste+0 mask+0: 1(-0.976,0) 2(0.976,0)
  silkscreen extent -1.63,-1.15 1.63,1.15, body extent -2.13,-1.25 2.13,1.25, height 0.25
FP-RR1220-IPC_A [mm]
  rect 1.355x1.556 smd paste+0 mask+0: 1(-0.976,0) 2(0.976,0)
  silkscreen extent -1.65,-1.18 1.65,1.18, body extent -2.15,-1.28 2.15,1.28, height 0.25
FP-RT0805-IPC_A [mm]
  rect 1.208x1.462 smd paste+0 mask+0: 1(-1.002,0) 2(1.002,0)
  silkscreen extent -1.61,-1.13 1.61,1.13, body extent -1,-0.63 1,0.63, height 0.6
FP-SOT162-1-MFG [mm]
  rect 2.4x0.8 smd paste+0 mask+0: 1(-4.4,4.495) 8(-4.4,-4.495) 9(4.4,-4.495) 16(4.4,4.495)
  rect 2.4x0.7 smd paste+0 mask+0: 2(-4.4,3.175) 3(-4.4,1.905) 4(-4.4,0.635) 5(-4.4,-0.635) 6(-4.4,-1.905) 7(-4.4,-3.175) 10(4.4,-3.175) 11(4.4,-1.905) 12(4.4,-0.635) 13(4.4,0.635) 14(4.4,1.905) 15(4.4,3.175)
  silkscreen extent -6.29,-5.25 2.83,5.25, body extent -5.72,-5.95 5.72,5.95, height 0.25
INF-SOT23_N [mm] "SOT23, 3-Leads, Body 2.9x1.3 mm, Pitch 0.95 mm, IPC Medium Density"
  rect 1.05x0.6 smd: 1(-1.15,0.95) 2(-1.15,-0.95) 3(1.15,0)
  silkscreen extent -1.27,-1.5 0.7,1.92, body extent -1.2,-1.46 1.2,1.46, height 1.2
JUMPER_JUMPER(Primary) [mm]
  round 1.6 hole 1: 0(0,0) 1(2.54,0)
  silkscreen extent -1.27,-1.27 3.81,1.27, body extent -1.27,-1.27 3.81,1.27, height 8.54
L-CHIP [mm]
  rrect50% 2x2 smd: 1(0,0) 2(2.794,0)
  silkscreen extent -0.25,-0.89 3.05,0.89
LED100_LED(Primary) [mm]
  rect 1.5x1.5 hole 0.9: A(0,-2.54)
  round 1.5 hole 0.9: K(0,0)
  silkscreen extent -3.17,-4.44 3.17,1.27
MCHP-PLCC-NH32_L [mm] "PLCC, 32-Leads, Body 13.97x11.43mm, Pitch 1.27mm, IPC High Density"
  oval 0.9x2.25 smd: 1(0,6.65) 2(-1.27,6.65) 3(-2.54,6.65) 4(-3.81,6.65) 14(-3.81,-6.65) 15(-2.54,-6.65) 16(-1.27,-6.65) 17(0,-6.65) 18(1.27,-6.65) 19(2.54,-6.65) 20(3.81,-6.65) 30(3.81,6.65) 31(2.54,6.65) 32(1.27,6.65)
  oval 2.25x0.9 smd: 5(-5.375,5.08) 6(-5.375,3.81) 7(-5.375,2.54) 8(-5.375,1.27) 9(-5.375,0) 10(-5.375,-1.27) 11(-5.375,-2.54) 12(-5.375,-3.81) 13(-5.375,-5.08) 21(5.375,-5.08) 22(5.375,-3.81) 23(5.375,-2.54) 24(5.375,-1.27) 25(5.375,0) 26(5.375,1.27) 27(5.375,2.54) 28(5.375,3.81) 29(5.375,5.08)
  silkscreen extent -3.85,-5.13 3.85,8.45, body extent -6.25,-7.45 6.25,7.45, height 2.89
MDD-6FR [mm]
  round 1.6 hole 1: 1(-1.3,-3.8) 2(1.3,-3.8) 3(-3.4,-3.8) 4(3.4,-3.8) 5(-3.4,-6.3) 6(3.4,-6.3) 7(-1.3,-10.85) 8(1.3,-10.85) 9(-3.4,-10.85) 10(3.4,-10.85) 11(-3.4,-13.35) 12(3.4,-13.35)
  round 3.3 hole 2.3: 13(0,0) 14(6.75,-0.8) 15(-6.75,-0.8) 16(6.75,-10.85) 17(-6.75,-10.85)
  silkscreen extent -8,-15.3 8,4.7, body extent -7.21,-15.21 7.24,4.79, height 28.5
MOLX-22-28-4033_V [mm] "THD, 3-Leads, Body 7.62x2.49mm, Pitch 2.54mm"
  rect 1.55x1.55 hole 1.02: 1(-2.54,0)
  round 1.55 hole 1.02: 2(0,0) 3(2.54,0)
  silkscreen extent -4.58,-1.24 3.81,1.24, body extent -3.81,-1.24 3.81,1.24, height 8.38
MOLX-47589-0001_V [mm] "SMD, 5-Leads, Body 7.5x5.6mm, Pitch 0.65mm"
  rect 0.4x1.35 smd: 1(-1.3,1.175) 2(-0.65,1.175) 3(0,1.175) 4(0.65,1.175) 5(1.3,1.175)
  oval 1.05x1.25 hole 0.65 slot 0.85 at 90 deg: 6(-2.225,1.5) 7(2.225,1.5)
  oval 1.2x1.9 hole 0.6 slot 1.3 at 90 deg: 8(-4.175,-1.5) 11(4.175,-1.5)
  rect 1.8x1.9 smd: 9(-1.15,-1.5) 10(1.15,-1.5)
  Top Layer, Top region: 2.6,-2.45 4.175,-2.45 4.175,-0.55 2.6,-0.55
  Top Layer, Top region: -2.6,-0.55 -4.175,-0.55 -4.175,-2.45 -2.6,-2.45
  silkscreen extent -3.75,-4.25 3.75,2.52, body extent -4.32,-4.25 4.32,1.64, height 2.74
MOLX-502774-0891_V [mm] "SMD, 14-Leads, Body 15x14.3mm, Pitch 1.1mm"
  rect 0.8x1.68 smd: 1(-2.9,7.385) 2(-1.8,7.385) 3(-0.7,7.385) 4(0.4,7.385) 5(1.5,7.385) 6(2.6,7.385) 7(3.7,7.385) 8(4.8,7.385)
  rect 1.29x1.3 smd: 9(6.855,5.825)
  rect 1.29x1.4 smd: 10(6.855,-1.575)
  rect 1.5x1.7 smd: 11(6.75,-7.375) 12(-6.75,-7.375)
  rect 1.7x1.5 smd: 13(-6.45,7.475)
  rect 1.6x1.5 smd: 14(6.21,7.475)
  silkscreen extent -7.15,-7.88 7.15,8.9, body extent -7.15,-8 7.15,8, height 1.78
MURA-CSTCE_G_V [mm] "SMD, 3-Leads, Body 3.2x1.3mm, Pitch 1.2mm"
  rect 0.4x2 smd: 1(-1.2,0) 2(0,0) 3(1.2,0)
  silkscreen extent -2.1,-0.05 -2,0.05, body extent -1.6,-0.65 1.6,0.65, height 0.7
PLB2-2 [mm]
  rect 1.75x1.75 hole 1.1: 1(0,0)
  round 1.75 hole 1.1: 2(2.54,0) 3(0,-2.54) 4(2.54,-2.54)
  silkscreen extent -1.27,-3.81 3.81,1.27
PQFP208X5 [mm]
  rrect50% 2x0.25 smd: 1(0,0) 2(0,-0.5) 3(0,-1) 4(0,-1.5) 5(0,-2) 6(0,-2.5) 7(0,-3) 8(0,-3.5) 9(0,-4) 10(0,-4.5) 11(0,-5) 12(0,-5.5) 13(0,-6) 14(0,-6.5) 15(0,-7) 16(0,-7.5) 17(0,-8) 18(0,-8.5) 19(0,-9) 20(0,-9.5) 21(0,-10) 22(0,-10.5) 23(0,-11) 24(0,-11.5) 25(0,-12) 26(0,-12.5) 27(0,-13) 28(0,-13.5) 29(0,-14) 30(0,-14.5) 31(0,-15) 32(0,-15.5) 33(0,-16) 34(0,-16.5) 35(0,-17) 36(0,-17.5) 37(0,-18) 38(0,-18.5) 39(0,-19) 40(0,-19.5) 41(0,-20) 42(0,-20.5) 43(0,-21) 44(0,-21.5) 45(0,-22) 46(0,-22.5) 47(0,-23) 48(0,-23.5) 49(0,-24) 50(0,-24.5) 51(0,-25) 52(0,-25.5) 105(30,-25.5) 106(30,-25) 107(30,-24.5) 108(30,-24) 109(30,-23.5) 110(30,-23) 111(30,-22.5) 112(30,-22) 113(30,-21.5) 114(30,-21) 115(30,-20.5) 116(30,-20) 117(30,-19.5) 118(30,-19) 119(30,-18.5) 120(30,-18) 121(30,-17.5) 122(30,-17) 123(30,-16.5) 124(30,-16) 125(30,-15.5) 126(30,-15) 127(30,-14.5) 128(30,-14) 129(30,-13.5) 130(30,-13) 131(30,-12.5) 132(30,-12) 133(30,-11.5) 134(30,-11) 135(30,-10.5) 136(30,-10) 137(30,-9.5) 138(30,-9) 139(30,-8.5) 140(30,-8) 141(30,-7.5) 142(30,-7) 143(30,-6.5) 144(30,-6) 145(30,-5.5) 146(30,-5) 147(30,-4.5) 148(30,-4) 149(30,-3.5) 150(30,-3) 151(30,-2.5) 152(30,-2) 153(30,-1.5) 154(30,-1) 155(30,-0.5) 156(30,0)
  rrect50% 0.25x2 smd: 53(2.25,-27.75) 54(2.75,-27.75) 55(3.25,-27.75) 56(3.75,-27.75) 57(4.25,-27.75) 58(4.75,-27.75) 59(5.25,-27.75) 60(5.75,-27.75) 61(6.25,-27.75) 62(6.75,-27.75) 63(7.25,-27.75) 64(7.75,-27.75) 65(8.25,-27.75) 66(8.75,-27.75) 67(9.25,-27.75) 68(9.75,-27.75) 69(10.25,-27.75) 70(10.75,-27.75) 71(11.25,-27.75) 72(11.75,-27.75) 73(12.25,-27.75) 74(12.75,-27.75) 75(13.25,-27.75) 76(13.75,-27.75) 77(14.25,-27.75) 78(14.75,-27.75) 79(15.25,-27.75) 80(15.75,-27.75) 81(16.25,-27.75) 82(16.75,-27.75) 83(17.25,-27.75) 84(17.75,-27.75) 85(18.25,-27.75) 86(18.75,-27.75) 87(19.25,-27.75) 88(19.75,-27.75) 89(20.25,-27.75) 90(20.75,-27.75) 91(21.25,-27.75) 92(21.75,-27.75) 93(22.25,-27.75) 94(22.75,-27.75) 95(23.25,-27.75) 96(23.75,-27.75) 97(24.25,-27.75) 98(24.75,-27.75) 99(25.25,-27.75) 100(25.75,-27.75) 101(26.25,-27.75) 102(26.75,-27.75) 103(27.25,-27.75) 104(27.75,-27.75) 157(27.75,2.25) 158(27.25,2.25) 159(26.75,2.25) 160(26.25,2.25) 161(25.75,2.25) 162(25.25,2.25) 163(24.75,2.25) 164(24.25,2.25) 165(23.75,2.25) 166(23.25,2.25) 167(22.75,2.25) 168(22.25,2.25) 169(21.75,2.25) 170(21.25,2.25) 171(20.75,2.25) 172(20.25,2.25) 173(19.75,2.25) 174(19.25,2.25) 175(18.75,2.25) 176(18.25,2.25) 177(17.75,2.25) 178(17.25,2.25) 179(16.75,2.25) 180(16.25,2.25) 181(15.75,2.25) 182(15.25,2.25) 183(14.75,2.25) 184(14.25,2.25) 185(13.75,2.25) 186(13.25,2.25) 187(12.75,2.25) 188(12.25,2.25) 189(11.75,2.25) 190(11.25,2.25) 191(10.75,2.25) 192(10.25,2.25) 193(9.75,2.25) 194(9.25,2.25) 195(8.75,2.25) 196(8.25,2.25) 197(7.75,2.25) 198(7.25,2.25) 199(6.75,2.25) 200(6.25,2.25) 201(5.75,2.25) 202(5.25,2.25) 203(4.75,2.25) 204(4.25,2.25) 205(3.75,2.25) 206(3.25,2.25) 207(2.75,2.25) 208(2.25,2.25)
  silkscreen extent -0.39,-26.5 28.75,1.69, body extent -0.3,-28.05 30.3,2.55, height 4.15
QFN50P500X500X90_HS-33M [mm] "QFN, 32-Leads, Body 5,00x5,00mm, Pitch 0,50mm, Thermal Pad 3,45x3,45mm, IPC Low Density"
  rect 0.9x0.25 smd: 1(-2.475,1.75) 2(-2.475,1.25) 3(-2.475,0.75) 4(-2.475,0.25) 5(-2.475,-0.25) 6(-2.475,-0.75) 7(-2.475,-1.25) 8(-2.475,-1.75) 17(2.475,-1.75) 18(2.475,-1.25) 19(2.475,-0.75) 20(2.475,-0.25) 21(2.475,0.25) 22(2.475,0.75) 23(2.475,1.25) 24(2.475,1.75)
  rect 0.25x0.9 smd: 9(-1.75,-2.475) 10(-1.25,-2.475) 11(-0.75,-2.475) 12(-0.25,-2.475) 13(0.25,-2.475) 14(0.75,-2.475) 15(1.25,-2.475) 16(1.75,-2.475) 25(1.75,2.475) 26(1.25,2.475) 27(0.75,2.475) 28(0.25,2.475) 29(-0.25,2.475) 30(-0.75,2.475) 31(-1.25,2.475) 32(-1.75,2.475)
  rect 3.45x3.45 smd: 33(0,0)
  silkscreen extent -3.66,-2.65 2.65,2.65, body extent -2.5,-2.5 2.5,2.5, height 0.9